# Altium PCB CRD25DA12N-FMC V1.2 (01-2024).PcbDoc (part 1 of 6) (continued)
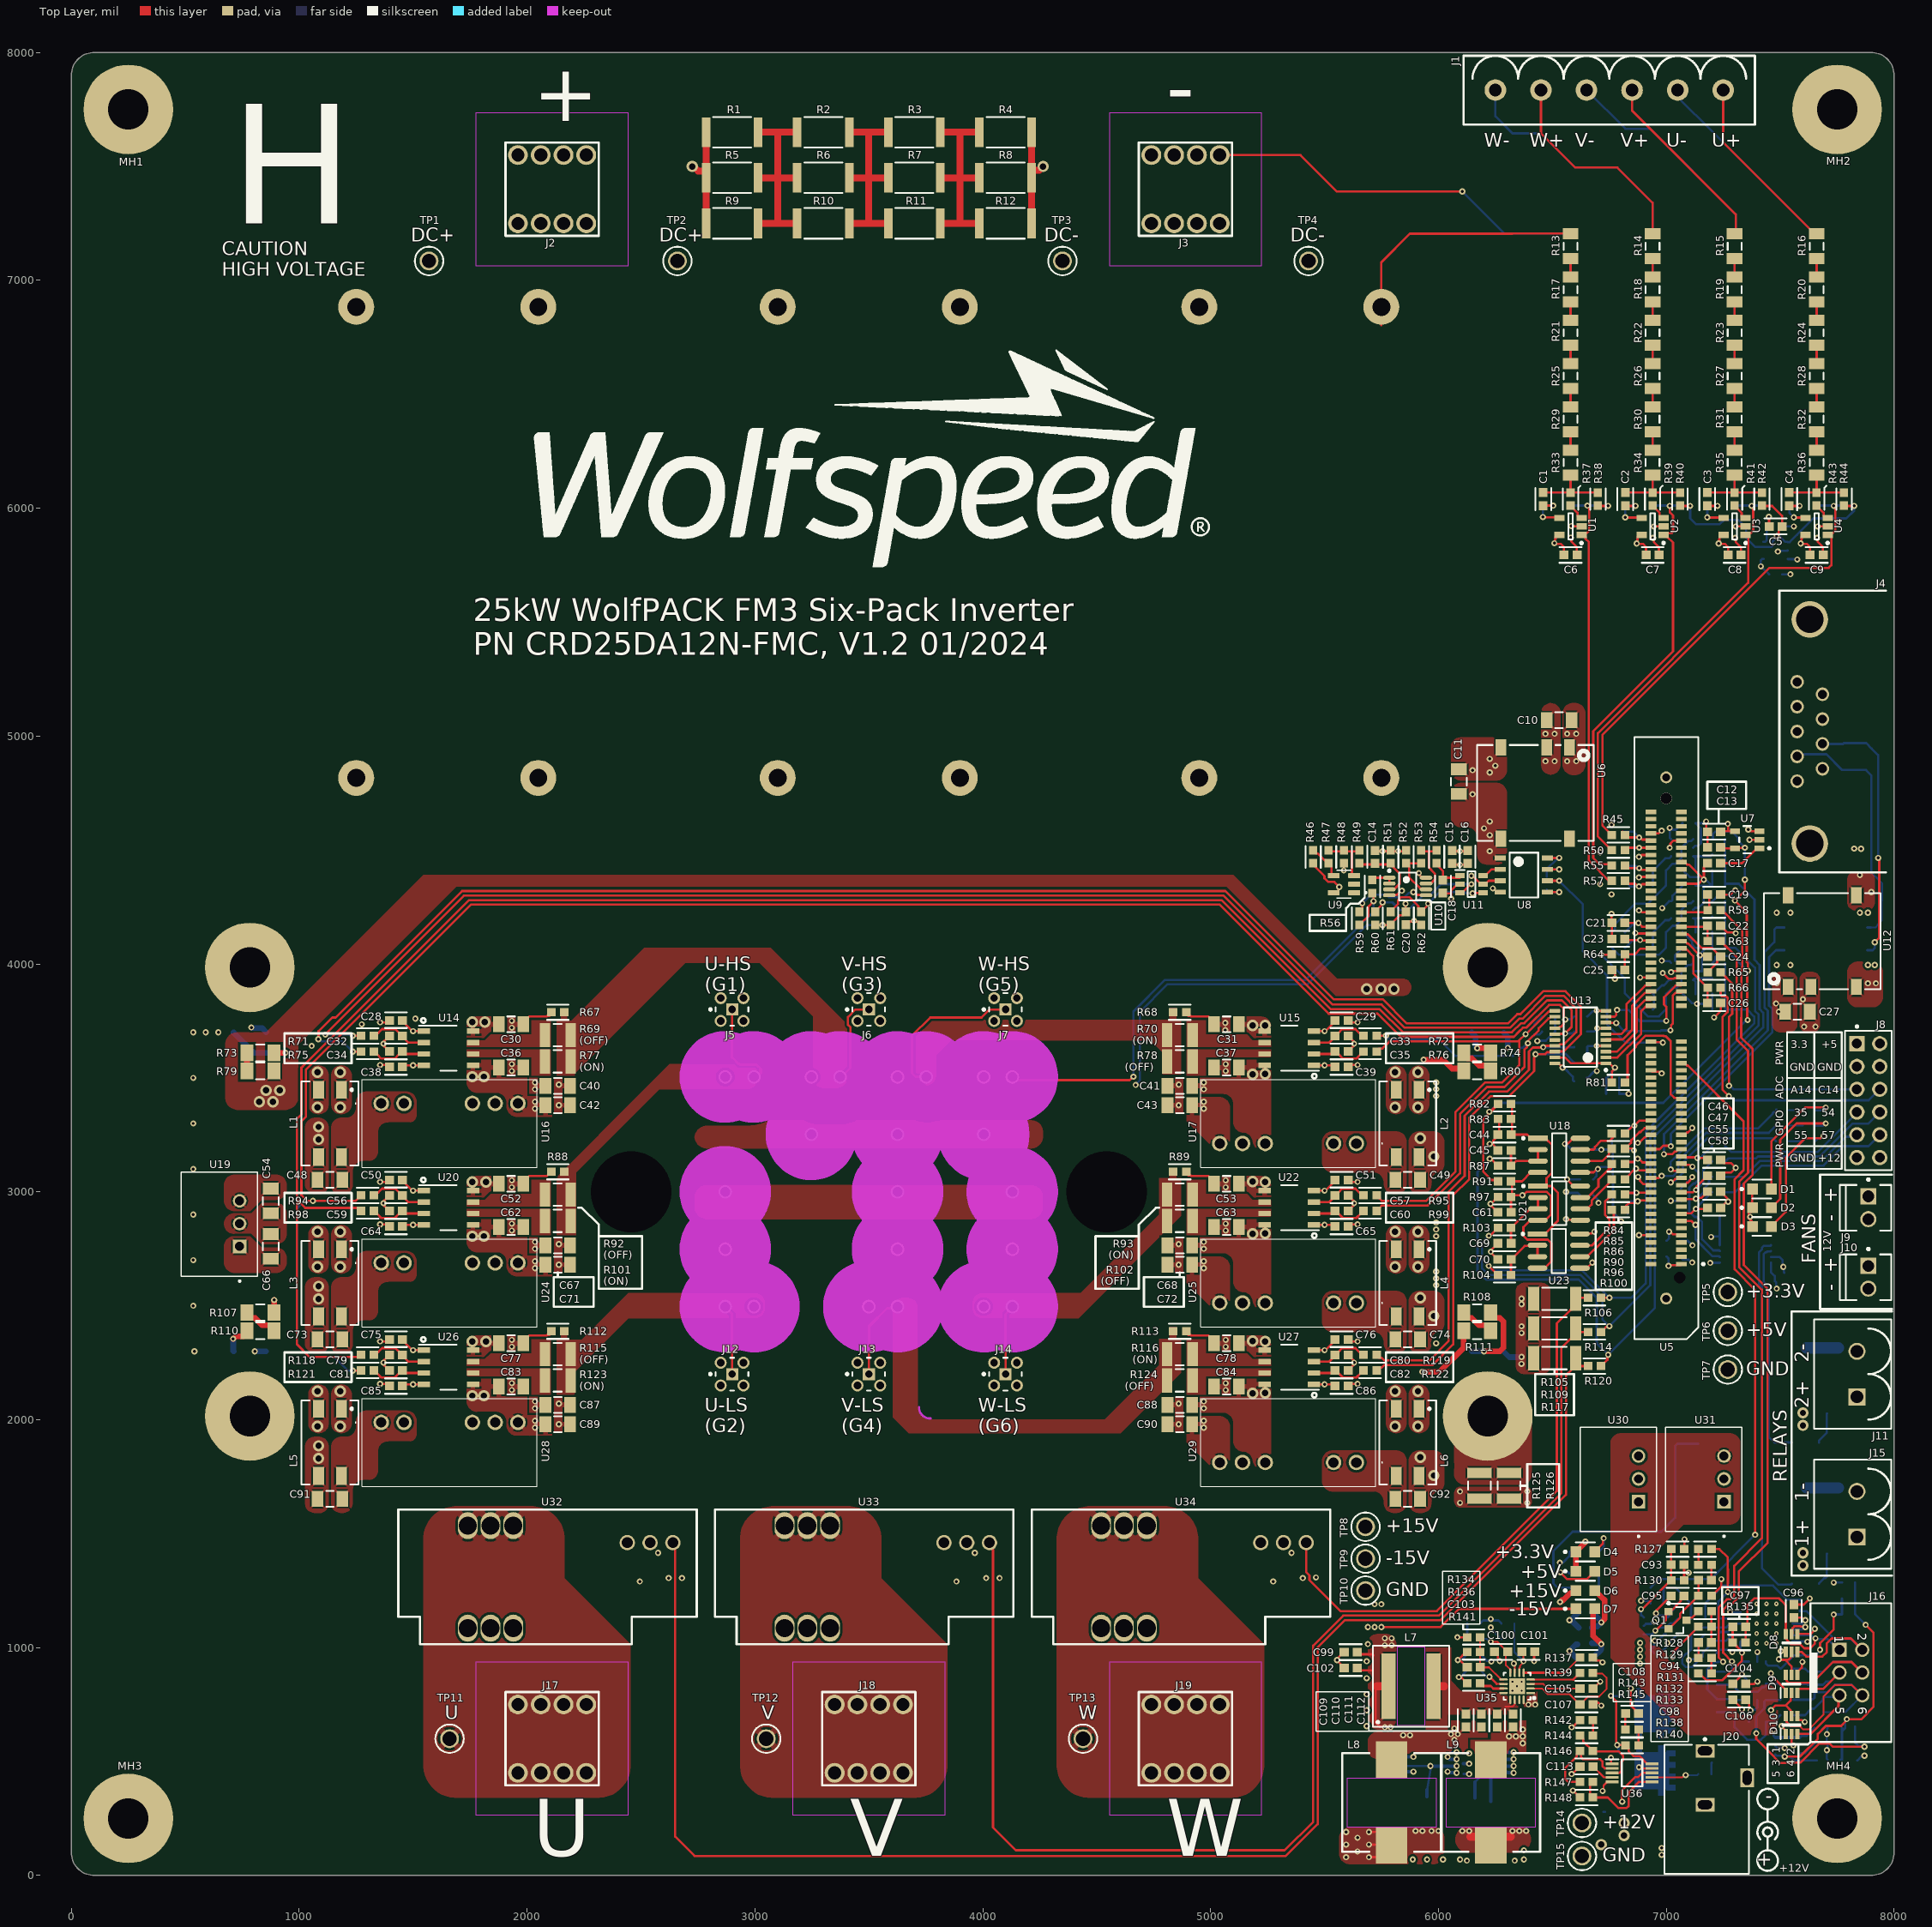
[diagram p0: Top Layer view]
## Components (designator, comment, footprint, x,y, rotation, side; value= is the part's Value field where it differs from the comment) (continued)
C57 "CL10C560JB8NNNC" FP-C0603C-CF-IPC_B 5575,2984 r0 top value=56pF
C58 "CL10C560JB8NNNC" FP-C0603C-CF-IPC_B 7210,2930 r0 top value=56pF
C59 "CL10C560JB8NNNC" FP-C0603C-CF-IPC_B 1425,2916 r180 top value=56pF
C60 "CL10C560JB8NNNC" FP-C0603C-CF-IPC_B 5575,2916 r0 top value=56pF
C61 "C0603C104K3RACTU" FP-C0603C-CF-IPC_B 6290,2909.96 r180 top value=0.10μF
C62 "CL31B106KAHSFNE" FP-CL31-IPC_B 1930,2845 r0 top value=10μF
C63 "CL31B106KAHSFNE" FP-CL31-IPC_B 5070,2845 r0 top value=10μF
C64 "GRT188R61H225ME13D" FP-C0603C-CF-IPC_B 1425,2848 r0 top value=2.2μF
C65 "GRT188R61H225ME13D" FP-C0603C-CF-IPC_B 5575,2848 r0 top value=2.2μF
C66 "CL31B106KAHSFNE" FP-CL31-IPC_B 875,2760 r90 top value=10μF
C67 "CL31B106KAHSFNE" FP-CL31-IPC_B 2135,2765 r180 top value=10μF
C68 "CL31B106KAHSFNE" FP-CL31-IPC_B 4865,2765 r0 top value=10μF
C69 "C0603C472K3RAC7867" FP-C0603C-CF-IPC_B 6290,2773.96 r180 top value=4.7nF
C70 "C0603C472K3RAC7867" FP-C0603C-CF-IPC_B 6290,2703.96 r180 top value=4.7nF
C71 "CL31B106KAHSFNE" FP-CL31-IPC_B 2135,2680 r0 top value=10μF
C72 "CL31B106KAHSFNE" FP-CL31-IPC_B 4865,2680 r180 top value=10μF
C73 "CL31B106KAHSFNE" FP-CL31-IPC_B 1135,2352 r180 top value=10μF
C74 "CL31B106KAHSFNE" FP-CL31-IPC_B 5865,2352 r180 top value=10μF
C75 "GRT188R61H225ME13D" FP-C0603C-CF-IPC_B 1425,2352 r180 top value=2.2μF
C76 "GRT188R61H225ME13D" FP-C0603C-CF-IPC_B 5575,2352 r180 top value=2.2μF
C77 "CL31B106KAHSFNE" FP-CL31-IPC_B 1930,2335 r180 top value=10μF
C78 "CL31B106KAHSFNE" FP-CL31-IPC_B 5070,2335 r180 top value=10μF
C79 "CL10C560JB8NNNC" FP-C0603C-CF-IPC_B 1425,2284 r180 top value=56pF
C80 "CL10C560JB8NNNC" FP-C0603C-CF-IPC_B 5575,2284 r0 top value=56pF
C81 "CL10C560JB8NNNC" FP-C0603C-CF-IPC_B 1425,2216 r180 top value=56pF
C82 "CL10C560JB8NNNC" FP-C0603C-CF-IPC_B 5575,2216 r0 top value=56pF
C83 "CL31B106KAHSFNE" FP-CL31-IPC_B 1930,2145 r0 top value=10μF
C84 "CL31B106KAHSFNE" FP-CL31-IPC_B 5070,2145 r0 top value=10μF
C85 "GRT188R61H225ME13D" FP-C0603C-CF-IPC_B 1425,2148 r0 top value=2.2μF
C86 "GRT188R61H225ME13D" FP-C0603C-CF-IPC_B 5575,2148 r0 top value=2.2μF
C87 "CL31B106KAHSFNE" FP-CL31-IPC_B 2135,2065 r180 top value=10μF
C88 "CL31B106KAHSFNE" FP-CL31-IPC_B 4865,2065 r0 top value=10μF
C89 "CL31B106KAHSFNE" FP-CL31-IPC_B 2135,1980 r0 top value=10μF
C90 "CL31B106KAHSFNE" FP-CL31-IPC_B 4865,1980 r180 top value=10μF
C91 "CL31B106KAHSFNE" FP-CL31-IPC_B 1135,1652 r180 top value=10μF
C92 "CL31B106KAHSFNE" FP-CL31-IPC_B 5865,1652 r180 top value=10μF
C93 "C0603C104K3RACTU" FP-C0603C-CF-IPC_B 7050,1363 r0 top value=0.10μF (schematic designator C94)
C94 "CL10B103KA8WPNC" FP-C0603C-CF-IPC_B 7170,1295 r180 top value=10nF (schematic designator C95)
C95 "C0603C102K5RACAUTO" FP-C0603C-CF-IPC_B 7050,1227 r180 top value=1nF (schematic designator C97)
C96 "C0603C104K3RACTU" FP-C0603C-CF-IPC_B 7560,1160 r90 top value=0.10μF (schematic designator C98)
C97 "06035A180JAT2A" FP-C0603C-CF-IPC_B 7320,1091 r0 top value=18pF (schematic designator C99)
C98 "CL10B103KA8WPNC" FP-C0603C-CF-IPC_B 7170,1022 r0 top value=10nF (schematic designator C101)
C99 "GCM188R72A103KA37D" FP-C0603C-CF-IPC_B 5615,980 r180 top value=10nF (schematic designator C195)
C100 "GCM1885C2A221JA16D" FP-C0603C-CF-IPC_B 6275,981 r180 top value=220pF (schematic designator C218)
C101 "CL10C101JB8NNNC" FP-C0603C-CF-IPC_B 6395,981 r0 top value=100pF (schematic designator C216)
C102 "C0603C102K5RACAUTO" FP-C0603C-CF-IPC_B 5615,910 r180 top value=1nF (schematic designator C96)
C103 "CGA3E2X7R1H683K080AA" FP-C0603C-CF-IPC_B 6155,913 r0 top value=68nF (schematic designator C204)
C104 "C0603C104K3RACTU" FP-C0603C-CF-IPC_B 7320,840 r0 top value=0.10μF (schematic designator C102)
C105 "GCM188R72A103KA37D" FP-C0603C-CF-IPC_B 6650,819 r0 top value=10nF (schematic designator C203)
C106 "C0603C104K3RACTU" FP-C0603C-CF-IPC_B 7320,771 r0 top value=0.10μF (schematic designator C103)
C107 "CGA3E1X7R1V105K080AC" FP-C0603C-CF-IPC_B 6650,750 r0 top value=1μF (schematic designator C201)
C108 "C0603C472K3RAC7867" FP-C0603C-CF-IPC_B 6850,710 r0 top value=4.7nF (schematic designator C107)
C109 "GRM188R6YA106MA73D" FP-C0603C-CF-IPC_B 6120,680 r270 top value=10μF (schematic designator C202)
C110 "GRM188R6YA106MA73D" FP-C0603C-CF-IPC_B 6189,680 r270 top value=10μF (schematic designator C205)
C111 "GRM188R6YA106MA73D" FP-C0603C-CF-IPC_B 6258,680 r270 top value=10μF (schematic designator C186)
C112 "GRM188R6YA106MA73D" FP-C0603C-CF-IPC_B 6327,680 r270 top value=10μF (schematic designator C200)
C113 "CL10C560JB8NNNC" FP-C0603C-CF-IPC_B 6650,478 r180 top value=56pF (schematic designator C108)
C114 "C4AQQEW5650A3BJ" C4AQQEW5650A3BJ 5350,5850 r270 bottom value=65µF (schematic designator C111)
C115 "C4AQQEW5650A3BJ" C4AQQEW5650A3BJ 3500,5850 r90 bottom value=65µF (schematic designator C110)
C116 "C4AQQEW5650A3BJ" C4AQQEW5650A3BJ 1650,5850 r270 bottom value=65µF (schematic designator C112)
C117 "CL10B103KA8WPNC" FP-C0603C-CF-IPC_B 7660,6040 r270 bottom value=10nF (schematic designator C113)
C118 "CL10B103KA8WPNC" FP-C0603C-CF-IPC_B 7300,6040 r270 bottom value=10nF (schematic designator C114)
C119 "CL10B103KA8WPNC" FP-C0603C-CF-IPC_B 6940,6040 r270 bottom value=10nF (schematic designator C115)
C120 "C0603C472K3RAC7867" FP-C0603C-CF-IPC_B 6580,6040 r270 bottom value=4.7nF (schematic designator C116)
C121 "C0603C104K3RACTU" FP-C0603C-CF-IPC_B 7480,5920 r0 bottom value=0.10μF (schematic designator C117)
C122 "C0603C104K3RACTU" FP-C0603C-CF-IPC_B 7480,5710 r0 bottom value=0.10μF (schematic designator C118)
C123 "C0603C104K3RACTU" FP-C0603C-CF-IPC_B 7100,4617 r0 bottom value=0.10μF (schematic designator C119)
C124 "GCM188R71C274KA37D" FP-GCM188-0_1-IPC_A 6790,4564 r180 bottom value=0.27μF (schematic designator C120)
C125 "GCM188R71C274KA37D" FP-GCM188-0_1-IPC_A 6790,4492 r180 bottom value=0.27μF (schematic designator C121)
C126 "CL31B106KAHSFNE" FP-CL31-IPC_B 7850,4395 r90 bottom value=10μF (schematic designator C122)
C127 "GCM188R71C274KA37D" FP-GCM188-0_1-IPC_A 6790,4420 r180 bottom value=0.27μF (schematic designator C123)
C128 "C0603C472K3RAC7867" FP-C0603C-CF-IPC_B 7230,4411 r180 bottom value=4.7nF (schematic designator C124)
C129 "CL10C101JB8NNNC" FP-C0603C-CF-IPC_B 7100,4411 r180 bottom value=100pF (schematic designator C125)
C130 "CL10C101JB8NNNC" FP-C0603C-CF-IPC_B 6970,4411 r0 bottom value=100pF (schematic designator C126)
C131 "C0603C104K3RACTU" FP-C0603C-CF-IPC_B 6475,4355 r270 bottom value=0.10μF (schematic designator C127)
C132 "GCM188R71C274KA37D" FP-GCM188-0_1-IPC_A 6790,4350 r180 bottom value=0.27μF (schematic designator C128)
C133 "C0603C104K3RACTU" FP-C0603C-CF-IPC_B 7100,4343 r0 bottom value=0.10μF (schematic designator C129)
C134 "C0603C472K3RAC7867" FP-C0603C-CF-IPC_B 7230,4139 r180 bottom value=4.7nF (schematic designator C130)
C135 "CL10C101JB8NNNC" FP-C0603C-CF-IPC_B 7100,4139 r180 bottom value=100pF (schematic designator C131)
C136 "CL10C101JB8NNNC" FP-C0603C-CF-IPC_B 6970,4139 r0 bottom value=100pF (schematic designator C132)
C137 "C0603C104K3RACTU" FP-C0603C-CF-IPC_B 7100,4070 r0 bottom value=0.10μF (schematic designator C133)
C138 "C0603C104K3RACTU" FP-C0603C-CF-IPC_B 7885,3868 r0 bottom value=0.10μF (schematic designator C134)
C139 "C0603C104K3RACTU" FP-C0603C-CF-IPC_B 7535,3868 r180 bottom value=0.10μF (schematic designator C135)
C140 "C0603C472K3RAC7867" FP-C0603C-CF-IPC_B 7230,3868 r180 bottom value=4.7nF (schematic designator C136)
C141 "CL10C101JB8NNNC" FP-C0603C-CF-IPC_B 7100,3868 r180 bottom value=100pF (schematic designator C137)
C142 "CL10C101JB8NNNC" FP-C0603C-CF-IPC_B 6970,3868 r0 bottom value=100pF (schematic designator C138)
C143 "CL10C560JB8NNNC" FP-C0603C-CF-IPC_B 6765,3500 r0 bottom value=56pF (schematic designator C139)
C144 "GRT188R61H225ME13D" FP-C0603C-CF-IPC_B 6625,3500 r0 bottom value=2.2μF (schematic designator C140)
C145 "CL10C560JB8NNNC" FP-C0603C-CF-IPC_B 6790,3261 r180 bottom value=56pF (schematic designator C141)
C146 "CL10C560JB8NNNC" FP-C0603C-CF-IPC_B 6790,3192 r180 bottom value=56pF (schematic designator C142)
C147 "C0603C104K3RACTU" FP-C0603C-CF-IPC_B 6650,3192 r0 bottom value=0.10μF (schematic designator C143)
C148 "CL10C560JB8NNNC" FP-C0603C-CF-IPC_B 6790,3123 r180 bottom value=56pF (schematic designator C144)
C149 "CL10C560JB8NNNC" FP-C0603C-CF-IPC_B 6790,3054 r180 bottom value=56pF (schematic designator C145)
C150 "C0603C104K3RACTU" FP-C0603C-CF-IPC_B 6650,3054 r0 bottom value=0.10μF (schematic designator C146)
C151 "C0603C104K3RACTU" FP-C0603C-CF-IPC_B 7065,2986.42 r270 bottom value=0.10μF (schematic designator C147)
C152 "CL10C560JB8NNNC" FP-C0603C-CF-IPC_B 6790,2985 r180 bottom value=56pF (schematic designator C148)
C153 "C0603C104K3RACTU" FP-C0603C-CF-IPC_B 6650,2985 r180 bottom value=0.10μF (schematic designator C149)
C154 "CL10C560JB8NNNC" FP-C0603C-CF-IPC_B 6790,2915 r180 bottom value=56pF (schematic designator C150)
C155 "C0603C104K3RACTU" FP-C0603C-CF-IPC_B 7030,2785 r0 bottom value=0.10μF (schematic designator C151)
C156 "C0603C104K3RACTU" FP-C0603C-CF-IPC_B 7030,2716 r0 bottom value=0.10μF (schematic designator C152)
C157 "GRT188R61H225ME13D" FP-C0603C-CF-IPC_B 7490,2625 r0 bottom value=2.2μF (schematic designator C153)
C158 "CL31B106KAHSFNE" FP-CL31-IPC_B 7140,1840 r270 bottom value=10μF (schematic designator C154)
C159 "CL31B106KAHSFNE" FP-CL31-IPC_B 6765,1840 r270 bottom value=10μF (schematic designator C155)
C160 "CL31B106KAHSFNE" FP-CL31-IPC_B 7140,1640 r90 bottom value=10μF (schematic designator C156)
C161 "CL31B106KAHSFNE" FP-CL31-IPC_B 6765,1640 r90 bottom value=10μF (schematic designator C157)
C162 "CL31B475KBHNFNE" FP-CL31-IPC_C 5380,1360 r0 bottom value=4.7μF (schematic designator C161)
C163 "CL31B475KBHNFNE" FP-CL31-IPC_C 3990,1360 r0 bottom value=4.7μF (schematic designator C162)
C164 "CL31B475KBHNFNE" FP-CL31-IPC_C 2600,1360 r0 bottom value=4.7μF (schematic designator C163)
C165 "C0603C104K3RACTU" FP-C0603C-CF-IPC_B 7800,1285 r180 bottom value=0.10μF (schematic designator C164)
C166 "CL31B475KBHNFNE" FP-CL31-IPC_C 5380,1250 r180 bottom value=4.7μF (schematic designator C165)
C167 "CL31B475KBHNFNE" FP-CL31-IPC_C 3990,1250 r180 bottom value=4.7μF (schematic designator C166)
C168 "CL31B475KBHNFNE" FP-CL31-IPC_C 2600,1250 r180 bottom value=4.7μF (schematic designator C167)
C169 "C0603C331JAGAC7867" FP-C0603C-CF-IPC_B 7800,1215 r180 bottom value=330pF (schematic designator C168)
C170 "C0603C472K3RAC7867" FP-C0603C-CF-IPC_B 6960,1194 r180 bottom value=4.7nF (schematic designator C169)
C171 "06035A180JAT2A" FP-C0603C-CF-IPC_B 7200,1126 r180 bottom value=18pF (schematic designator C170)
C172 "CGA3E2X7R1H473K080AA" FP-C0603C-CF-IPC_B 6155,1038 r180 bottom value=47nF (schematic designator C215)
C173 "C0603C104K3RACTU" FP-C0603C-CF-IPC_B 7200,990 r0 bottom value=0.10μF (schematic designator C171)
C174 "C0603C104K3RACTU" FP-C0603C-CF-IPC_B 6960,990 r0 bottom value=0.10μF (schematic designator C172)
C175 "GCM188R71E224KA55D" FP-C0603C-CF-IPC_B 6155,900 r180 bottom value=220nF (schematic designator C217)
C176 "CGA3E2X7R1H104K080AA" FP-C0603C-CF-IPC_B 5755,900 r180 bottom value=100nF (schematic designator C196)
C177 "C0603C470J1GACTU" FP-C0603C-CF-IPC_B 7620,865 r90 bottom value=47pF (schematic designator C173)
C178 "C0603C331JAGAC7867" FP-C0603C-CF-IPC_B 7290,865 r90 bottom value=330pF (schematic designator C174)
C179 "GRM188R6YA106MA73D" FP-C0603C-CF-IPC_B 5755,830 r180 bottom value=10μF (schematic designator C197)
C180 "C0603C470J1GACTU" FP-C0603C-CF-IPC_B 7620,745 r90 bottom value=47pF (schematic designator C175)
C181 "C0603C331JAGAC7867" FP-C0603C-CF-IPC_B 7290,745 r90 bottom value=330pF (schematic designator C176)
C182 "GRM188R6YA106MA73D" FP-C0603C-CF-IPC_B 5755,760 r180 bottom value=10μF (schematic designator C198)
C183 "GRM188R6YA106MA73D" FP-C0603C-CF-IPC_B 5755,690 r180 bottom value=10μF (schematic designator C199)
C184 "C0603C104K3RACTU" FP-C0603C-CF-IPC_B 7680,652 r0 bottom value=0.10μF (schematic designator C177)
C185 "C0603C331JAGAC7867" FP-C0603C-CF-IPC_B 7800,583 r0 bottom value=330pF (schematic designator C178)
C186 "C0603C104K3RACTU" FP-C0603C-CF-IPC_B 7680,583 r0 bottom value=0.10μF (schematic designator C179)
C187 "C0603C104K3RACTU" FP-C0603C-CF-IPC_B 7800,513 r0 bottom value=0.10μF (schematic designator C180)
C188 "C0603C104K3RACTU" FP-C0603C-CF-IPC_B 7680,513 r0 bottom value=0.10μF (schematic designator C181)
C189 "C0603C681J5GACTU" FP-C0603C-CF-IPC_B 6405,300 r90 bottom value=680pF (schematic designator C187)
C190 "GRM188R6YA106MA73D" FP-C0603C-CF-IPC_B 6335,300 r270 bottom value=10μF (schematic designator C193)
C191 "GRM188R6YA106MA73D" FP-C0603C-CF-IPC_B 6265,300 r270 bottom value=10μF (schematic designator C194)
C192 "CGA3E1X7R1V105K080AC" FP-C0603C-CF-IPC_B 6195,300 r270 bottom value=1μF (schematic designator C93)
C193 "CGA3E2X7R1H104K080AA" FP-C0603C-CF-IPC_B 6125,300 r270 bottom value=100nF (schematic designator C188)
C194 "CGA3E2X7R1H104K080AA" FP-C0603C-CF-IPC_B 6055,300 r90 bottom value=100nF (schematic designator C206)
C195 "CGA3E1X7R1V105K080AC" FP-C0603C-CF-IPC_B 5985,300 r90 bottom value=1μF (schematic designator C207)
C196 "GRM188R6YA106MA73D" FP-C0603C-CF-IPC_B 5915,300 r90 bottom value=10μF (schematic designator C208)
C197 "GRM188R6YA106MA73D" FP-C0603C-CF-IPC_B 5845,300 r90 bottom value=10μF (schematic designator C209)
C198 "C0603C681J5GACTU" FP-C0603C-CF-IPC_B 5775,300 r90 bottom value=680pF (schematic designator C214)
C199 "GRM188R6YA106MA73D" FP-C0603C-CF-IPC_B 6335,130 r90 bottom value=10μF (schematic designator C192)
C200 "GRM188R6YA106MA73D" FP-C0603C-CF-IPC_B 6265,130 r90 bottom value=10μF (schematic designator C191)
C201 "GRM188R6YA106MA73D" FP-C0603C-CF-IPC_B 6195,130 r90 bottom value=10μF (schematic designator C190)
C202 "GRM188R6YA106MA73D" FP-C0603C-CF-IPC_B 6125,130 r90 bottom value=10μF (schematic designator C189)
C203 "GRM188R6YA106MA73D" FP-C0603C-CF-IPC_B 6055,130 r270 bottom value=10μF (schematic designator C212)
C204 "GRM188R6YA106MA73D" FP-C0603C-CF-IPC_B 5985,130 r270 bottom value=10μF (schematic designator C213)
C205 "GRM188R6YA106MA73D" FP-C0603C-CF-IPC_B 5915,130 r270 bottom value=10μF (schematic designator C211)
C206 "GRM188R6YA106MA73D" FP-C0603C-CF-IPC_B 5845,130 r270 bottom value=10μF (schematic designator C210)
C207 "CL31B106KAHSFNE" FP-CL31-IPC_B 6850,105 r0 bottom value=10μF (schematic designator C185)
D1 "CMD17-21VRD/TR8" FP-LTST-C171GKT-MFG-RED 7420,3012 r0 top value=RED
D2 "LTST-C171KSKT" FP-LTST-C171GKT-MFG-YELLOW 7420,2930 r0 top value=YELLOW
D3 "LTST-C171GKT" FP-LTST-C171GKT-MFG 7420,2848 r0 top value=GREEN
D4 "LTST-C171GKT" FP-LTST-C171GKT-MFG 6645,1420 r0 top value=GREEN (schematic designator D6)
D5 "LTST-C171GKT" FP-LTST-C171GKT-MFG 6645,1335 r0 top value=GREEN (schematic designator D7)
D6 "LTST-C171GKT" FP-LTST-C171GKT-MFG 6645,1250 r0 top value=GREEN (schematic designator D8)
D7 "LTST-C171GKT" FP-LTST-C171GKT-MFG 6645,1170 r0 top value=GREEN (schematic designator D9)
D8 "BAS40DW-04-TP" SOT65P222X120-6N 7550,1020 r90 top value=N/A (schematic designator D10)
D9 "BAS40DW-04-TP" SOT65P222X120-6N 7550,840 r90 top value=N/A (schematic designator D11)
D10 "BAS40DW-04-TP" SOT65P222X120-6N 7550,660 r90 top value=N/A (schematic designator D12)
D11 "APTR3216-VFX" FP-APTR3216SECK-MFG 6216.53,3700 r180 bottom value=PURPLE (schematic designator D13)
D12 "APTR3216-VFX" FP-APTR3216SECK-MFG 783.47,3700 r180 bottom value=PURPLE (schematic designator D14)
D13 "APTR3216-VFX" FP-APTR3216SECK-MFG 6216.53,2300 r180 bottom value=PURPLE (schematic designator D15)
D14 "APTR3216-VFX" FP-APTR3216SECK-MFG 783.47,2300 r180 bottom value=PURPLE (schematic designator D16)
D15 "SMD26PL-TP" ONSC-SOD-123FL-2-498-01_V 7865,2000 r0 bottom value=N/A (schematic designator D17)
D16 "SMD26PL-TP" ONSC-SOD-123FL-2-498-01_V 7865,1385 r0 bottom value=N/A (schematic designator D18)
D17 "PMEG060V100EPE-QZ" FP-PSMC_TO-277A-MFG 6215,505 r0 bottom value=N/A (schematic designator D20)
D18 "PMEG060V100EPE-QZ" FP-PSMC_TO-277A-MFG 5965,505 r0 bottom value=N/A (schematic designator D21)
HS1 "LA6/150 12V" "LA 6 150 12" 3500,3000 r180 bottom locked value=N/A
J1 "1755778" 1755778 6750,7835 r180 top value=N/A
J2 "7460307" 7460307 2110,7400 r0 top value=N/A
J3 "7460307" 7460307 4890,7400 r0 top value=N/A
J4 "L717SDE09PA4CH4RC309" L717SDE09PA4CH4RC309 7630,5020 r90 top value=N/A
J5 "0734151471" FP-73415-1471-MFG 2900,3800 r0 top value=N/A
J6 "0734151471" FP-73415-1471-MFG 3500,3800 r0 top value=N/A
J7 "0734151471" FP-73415-1471-MFG 4100,3800 r0 top value=N/A
J8 "61301221121" FP-61301221121-MFG 7887,3400 r270 top value=N/A
J9 "640456-2" TECO-640456-2_V 7887,2930 r90 top value=N/A
J10 "640456-2" TECO-640456-2_V 7887,2625 r90 top value=N/A
J11 "1755736" 1755736 7837,2200 r90 top value=N/A
J12 "0734151471" FP-73415-1471-MFG 2900,2200 r0 top value=N/A
J13 "0734151471" FP-73415-1471-MFG 3500,2200 r0 top value=N/A
J14 "0734151471" FP-73415-1471-MFG 4100,2200 r0 top value=N/A
J15 "1755736" 1755736 7837,1585 r90 top value=N/A
J16 "61200621621" 61200621621 7810,890 r270 top value=N/A
J17 "7460307" 7460307 2110,600 r0 top value=N/A
J18 "7460307" 7460307 3500,600 r0 top value=N/A
J19 "7460307" 7460307 4890,600 r0 top value=N/A
J20 "PJ-102AH" CUI-PJ-102B_V 7170,428.11 r270 top value=N/A
L1 "744226S" WE-SL2 1135,3300 r270 top value=10μH
L2 "744226S" WE-SL2 5865,3300 r270 top value=10μH
L3 "744226S" WE-SL2 1135,2600 r270 top value=10μH
L4 "744226S" WE-SL2 5865,2600 r270 top value=10μH
L5 "744226S" WE-SL2 1135,1900 r270 top value=10μH
L6 "744226S" WE-SL2 5865,1900 r270 top value=10μH
L7 "74439358100" WE-XHMI_8080_L8.8W8.3H7.8 5880,830 r90 top value=10μH (schematic designator L9)
L8 "74437368220" 74437368220 5795,320 r270 top value=22µH (schematic designator L7)
L9 "74437368220" 74437368220 6230,320 r90 top value=22µH (schematic designator L10)
MH1 "MH_M4_P" MH_M4_P 250,7750 r0 top locked value=N/A
MH2 "MH_M4_P" MH_M4_P 7750,7750 r0 top locked value=N/A
MH3 "MH_M4_P" MH_M4_P 250,250 r0 top locked value=N/A
MH4 "MH_M4_P" MH_M4_P 7750,250 r0 top locked value=N/A
Q1 "BC817-16LT3G" ONSC-SOT-23-3-318-08_V 7050,1120 r0 top value=N/A (schematic designator Q2)
Q2 "CCB021M12FM3T" FM3_SIX-PACK_3PHASE_CRW 3500,3000 r0 bottom locked value=N/A (schematic designator Q3)
Q3 "MJD44H11T4G" ONSC-DPAK-3-369C-01_V 7615,2205 r90 bottom value=N/A (schematic designator Q4)
Q4 "MJD44H11T4G" ONSC-DPAK-3-369C-01_V 7615,1590 r90 bottom value=N/A (schematic designator Q5)
Q5 "DMT12H007LPS-13" FP-PowerDI5060-8-MFG 6910,710 r90 bottom value=N/A (schematic designator Q6)
Q6 "DMT12H007LPS-13" FP-PowerDI5060-8-MFG 6910,460 r90 bottom value=N/A (schematic designator Q7)
R1 "CRGP2512F220K" FP-CRGP2512-IPC_C 2900,7650 r180 top value=220kΩ
R2 "CRGP2512F220K" FP-CRGP2512-IPC_C 3300,7650 r180 top value=220kΩ
R3 "CRGP2512F220K" FP-CRGP2512-IPC_C 3700,7650 r180 top value=220kΩ
R4 "CRGP2512F220K" FP-CRGP2512-IPC_C 4100,7650 r180 top value=220kΩ
R5 "CRGP2512F220K" FP-CRGP2512-IPC_C 2900,7450 r180 top value=220kΩ
R6 "CRGP2512F220K" FP-CRGP2512-IPC_C 3300,7450 r180 top value=220kΩ
R7 "CRGP2512F220K" FP-CRGP2512-IPC_C 3700,7450 r180 top value=220kΩ
R8 "CRGP2512F220K" FP-CRGP2512-IPC_C 4100,7450 r180 top value=220kΩ
R9 "CRGP2512F220K" FP-CRGP2512-IPC_C 2900,7250 r180 top value=220kΩ
R10 "CRGP2512F220K" FP-CRGP2512-IPC_C 3300,7250 r180 top value=220kΩ
R11 "CRGP2512F220K" FP-CRGP2512-IPC_C 3700,7250 r180 top value=220kΩ
R12 "CRGP2512F220K" FP-CRGP2512-IPC_C 4100,7250 r180 top value=220kΩ
R13 "TNPW1206249KBEEA" RESC3216X65X50NL15T25 6580,7150 r270 top value=249kΩ
R14 "TNPW1206249KBEEA" RESC3216X65X50NL15T25 6940,7150 r270 top value=249kΩ
R15 "TNPW1206249KBEEA" RESC3216X65X50NL15T25 7300,7150 r270 top value=249kΩ
R16 "TNPW1206249KBEEA" RESC3216X65X50NL15T25 7660,7150 r270 top value=249kΩ
R17 "TNPW1206249KBEEA" RESC3216X65X50NL15T25 6580,6960 r270 top value=249kΩ
R18 "TNPW1206249KBEEA" RESC3216X65X50NL15T25 6940,6960 r270 top value=249kΩ
R19 "TNPW1206249KBEEA" RESC3216X65X50NL15T25 7300,6960 r270 top value=249kΩ
R20 "TNPW1206249KBEEA" RESC3216X65X50NL15T25 7660,6960 r270 top value=249kΩ
R21 "TNPW1206249KBEEA" RESC3216X65X50NL15T25 6580,6770 r270 top value=249kΩ
R22 "TNPW1206249KBEEA" RESC3216X65X50NL15T25 6940,6770 r270 top value=249kΩ
R23 "TNPW1206249KBEEA" RESC3216X65X50NL15T25 7300,6770 r270 top value=249kΩ
R24 "TNPW1206249KBEEA" RESC3216X65X50NL15T25 7660,6770 r270 top value=249kΩ
R25 "TNPW1206249KBEEA" RESC3216X65X50NL15T25 6580,6580 r270 top value=249kΩ
R26 "TNPW1206249KBEEA" RESC3216X65X50NL15T25 6940,6580 r270 top value=249kΩ
R27 "TNPW1206249KBEEA" RESC3216X65X50NL15T25 7300,6580 r270 top value=249kΩ
R28 "TNPW1206249KBEEA" RESC3216X65X50NL15T25 7660,6580 r270 top value=249kΩ
R29 "TNPW1206249KBEEA" RESC3216X65X50NL15T25 6580,6390 r270 top value=249kΩ
R30 "TNPW1206249KBEEA" RESC3216X65X50NL15T25 6940,6390 r270 top value=249kΩ
R31 "TNPW1206249KBEEA" RESC3216X65X50NL15T25 7300,6390 r270 top value=249kΩ
R32 "TNPW1206249KBEEA" RESC3216X65X50NL15T25 7660,6390 r270 top value=249kΩ
R33 "TNPW1206249KBEEA" RESC3216X65X50NL15T25 6580,6200 r270 top value=249kΩ
R34 "TNPW1206249KBEEA" RESC3216X65X50NL15T25 6940,6200 r270 top value=249kΩ
R35 "TNPW1206249KBEEA" RESC3216X65X50NL15T25 7300,6200 r270 top value=249kΩ
R36 "TNPW1206249KBEEA" RESC3216X65X50NL15T25 7660,6200 r270 top value=249kΩ
R37 "RC0603FR-074K99L" FP-MCR03-IPC_B 6580,6040 r270 top value=4.99kΩ
R38 "ERJ-PB3B3741V" FP-MCR03-IPC_B 6700,6040 r90 top value=3.74kΩ
R39 "RC0603FR-074K99L" FP-MCR03-IPC_B 6940,6040 r270 top value=4.99kΩ
R40 "ERJ-PB3B1801V" FP-MCR03-IPC_B 7060,6040 r270 top value=1.8kΩ
R41 "RC0603FR-074K99L" FP-MCR03-IPC_B 7300,6040 r270 top value=4.99kΩ
R42 "ERJ-PB3B1801V" FP-MCR03-IPC_B 7420,6040 r270 top value=1.8kΩ
R43 "RC0603FR-074K99L" FP-MCR03-IPC_B 7660,6040 r270 top value=4.99kΩ
R44 "ERJ-PB3B1801V" FP-MCR03-IPC_B 7780,6040 r270 top value=1.8kΩ
R45 "ERJ-3EKF49R9V" FP-MCR03-IPC_B 6790,4566 r0 top value=49.9Ω
R46 "ERJ3EKF1002V" FP-MCR03-IPC_B 5450,4470 r90 top value=10kΩ (schematic designator R47)
R47 "CRCW060320K0FKTA" FP-MCR03-IPC_B 5518,4470 r90 top value=20kΩ (schematic designator R48)
R48 "ERA3AEB132V" FP-MCR03-IPC_B 5586,4470 r270 top value=1.3kΩ (schematic designator R49)
R49 "RC1608F1542CS" FP-MCR03-IPC_B 5654,4470 r90 top value=15.4kΩ (schematic designator R50)
R50 "ERJ-3EKF49R9V" FP-MCR03-IPC_B 6790,4499 r0 top value=49.9Ω (schematic designator R46)
R51 "CRCW06034K70FKTA" FP-MCR03-IPC_B 5790,4470 r270 top value=4.7kΩ
R52 "ERJ3EKF1002V" FP-MCR03-IPC_B 5858,4470 r270 top value=10kΩ
R53 "CRCW06030000Z0EB" FP-MCR03-IPC_B 5925,4470 r90 top value=0Ω
R54 "ERJ3EKF1002V" FP-MCR03-IPC_B 5992,4470 r90 top value=10kΩ
R55 "ERJ-3EKF49R9V" FP-MCR03-IPC_B 6790,4432 r0 top value=49.9Ω
R56 "RC0603FR-13330RL" FP-MCR03-IPC_B 5710,4340 r90 top value=330Ω (schematic designator R57)
R57 "ERJ-3EKF49R9V" FP-MCR03-IPC_B 6790,4365 r0 top value=49.9Ω (schematic designator R56)
R58 "RT0603DRE072KL" FP-MCR03-IPC_B 7210,4236 r180 top value=2kΩ
R59 "ERJ3EKF1002V" FP-MCR03-IPC_B 5654,4200 r270 top value=10kΩ
R60 "RMCF0603FT249K" FP-MCR03-IPC_B 5722,4200 r90 top value=249kΩ
R61 "ERJ3EKF1002V" FP-MCR03-IPC_B 5790,4200 r90 top value=10kΩ
R62 "ERJ-3EKF9762V" FP-MCR03-IPC_B 5925,4200 r270 top value=97.6kΩ
R63 "RT0603DRE072KL" FP-MCR03-IPC_B 7210,4100 r180 top value=2kΩ
R64 "ERJ-3EKF49R9V" FP-MCR03-IPC_B 6790,4042 r0 top value=49.9Ω
R65 "CRCW06030000Z0EB" FP-MCR03-IPC_B 7210,3964 r180 top value=0Ω
R66 "CRCW06030000Z0EB" FP-MCR03-IPC_B 7210,3896 r180 top value=0Ω
R67 "ERJ3EKF1002V" FP-MCR03-IPC_B 2135,3788 r0 top value=10kΩ
R68 "ERJ3EKF1002V" FP-MCR03-IPC_B 4865,3788 r180 top value=10kΩ
R69 "CRCW12100000Z0EAHP" RESC3125X70X40NL20T20 2135,3688 r0 top value=0Ω
R70 "RCWE1210R910FKEA" RESC3125X70X40NL20T20 4865,3688 r180 top value=0.91Ω
R71 "ERJ-3EKF49R9V" FP-MCR03-IPC_B 1300,3684 r0 top value=49.9Ω
R72 "ERJ-3EKF49R9V" FP-MCR03-IPC_B 5700,3684 r180 top value=49.9Ω
R73 "RC1206FR-07249RL" FP-MCR18-IPC_A 830,3610 r0 top value=249Ω
R74 "RC1206FR-07249RL" FP-MCR18-IPC_A 6170,3610 r0 top value=249Ω
R75 "ERJ-3EKF49R9V" FP-MCR03-IPC_B 1300,3616 r0 top value=49.9Ω
R76 "ERJ-3EKF49R9V" FP-MCR03-IPC_B 5700,3616 r180 top value=49.9Ω
R77 "RCWE1210R910FKEA" RESC3125X70X40NL20T20 2135,3572 r0 top value=0.91Ω
R78 "CRCW12100000Z0EAHP" RESC3125X70X40NL20T20 4865,3572 r180 top value=0Ω
R79 "RC1206FR-07249RL" FP-MCR18-IPC_A 830,3530 r180 top value=249Ω
R80 "RC1206FR-07249RL" FP-MCR18-IPC_A 6170,3530 r0 top value=249Ω
R81 "ERJ-3EKF49R9V" FP-MCR03-IPC_B 6790,3480 r180 top value=49.9Ω
R82 "ERA3AEB132V" FP-MCR03-IPC_B 6290,3386 r180 top value=1.3kΩ
R83 "ERJ3EKF1002V" FP-MCR03-IPC_B 6290,3319 r0 top value=10kΩ
R84 "ERJ-3EKF49R9V" FP-MCR03-IPC_B 6790,3256 r0 top value=49.9Ω
R85 "ERJ-3EKF49R9V" FP-MCR03-IPC_B 6790,3189 r0 top value=49.9Ω
R86 "ERJ-3EKF49R9V" FP-MCR03-IPC_B 6790,3122 r0 top value=49.9Ω
R87 "ERJ-3EKF49R9V" FP-MCR03-IPC_B 6290,3114 r0 top value=49.9Ω
R88 "ERJ3EKF1002V" FP-MCR03-IPC_B 2135,3088 r0 top value=10kΩ
R89 "ERJ3EKF1002V" FP-MCR03-IPC_B 4865,3088 r180 top value=10kΩ
R90 "ERJ-3EKF49R9V" FP-MCR03-IPC_B 6790,3055 r0 top value=49.9Ω
R91 "ERJ3EKF1002V" FP-MCR03-IPC_B 6290,3045.96 r180 top value=10kΩ
R92 "CRCW12100000Z0EAHP" RESC3125X70X40NL20T20 2135,2988 r0 top value=0Ω
R93 "RCWE1210R910FKEA" RESC3125X70X40NL20T20 4865,2988 r180 top value=0.91Ω
R94 "ERJ-3EKF49R9V" FP-MCR03-IPC_B 1300,2984 r0 top value=49.9Ω (schematic designator R95)
R95 "ERJ-3EKF49R9V" FP-MCR03-IPC_B 5700,2984 r180 top value=49.9Ω (schematic designator R96)
R96 "ERJ-3EKF49R9V" FP-MCR03-IPC_B 6790,2988 r0 top value=49.9Ω (schematic designator R94)
R97 "ERA3AEB132V" FP-MCR03-IPC_B 6290,2977.96 r0 top value=1.3kΩ
R98 "ERJ-3EKF49R9V" FP-MCR03-IPC_B 1300,2916 r0 top value=49.9Ω (schematic designator R99)
R99 "ERJ-3EKF49R9V" FP-MCR03-IPC_B 5700,2916 r180 top value=49.9Ω (schematic designator R100)
R100 "ERJ-3EKF49R9V" FP-MCR03-IPC_B 6790,2921 r0 top value=49.9Ω (schematic designator R98)
R101 "RCWE1210R910FKEA" RESC3125X70X40NL20T20 2135,2872 r0 top value=0.91Ω
R102 "CRCW12100000Z0EAHP" RESC3125X70X40NL20T20 4865,2872 r180 top value=0Ω
R103 "ERJ-3EKF49R9V" FP-MCR03-IPC_B 6290,2841.96 r0 top value=49.9Ω
R104 "ERJ-3EKF49R9V" FP-MCR03-IPC_B 6290,2634.96 r0 top value=49.9Ω
R105 "RC2010FK-07100RL" RESC2010(5025)_N 6510,2530 r0 top value=100Ω
R106 "RT0603DRE072KL" FP-MCR03-IPC_B 6685,2535 r0 top value=2kΩ
R107 "RC1206FR-07249RL" FP-MCR18-IPC_A 830,2470 r180 top value=249Ω
R108 "RC1206FR-07249RL" FP-MCR18-IPC_A 6170,2470 r0 top value=249Ω
R109 "RC2010FK-07100RL" RESC2010(5025)_N 6510,2400 r0 top value=100Ω
R110 "RC1206FR-07249RL" FP-MCR18-IPC_A 830,2390 r180 top value=249Ω
R111 "RC1206FR-07249RL" FP-MCR18-IPC_A 6170,2390 r0 top value=249Ω
R112 "ERJ3EKF1002V" FP-MCR03-IPC_B 2135,2388 r0 top value=10kΩ
R113 "ERJ3EKF1002V" FP-MCR03-IPC_B 4865,2388 r180 top value=10kΩ
R114 "RT0603DRE072KL" FP-MCR03-IPC_B 6685,2385 r0 top value=2kΩ
R115 "CRCW12100000Z0EAHP" RESC3125X70X40NL20T20 2135,2288 r0 top value=0Ω
R116 "RCWE1210R910FKEA" RESC3125X70X40NL20T20 4865,2288 r180 top value=0.91Ω
R117 "RC2010FK-07100RL" RESC2010(5025)_N 6510,2270 r0 top value=100Ω
R118 "ERJ-3EKF49R9V" FP-MCR03-IPC_B 1300,2284 r0 top value=49.9Ω
R119 "ERJ-3EKF49R9V" FP-MCR03-IPC_B 5700,2284 r180 top value=49.9Ω
R120 "RT0603DRE072KL" FP-MCR03-IPC_B 6685,2235 r0 top value=2kΩ
R121 "ERJ-3EKF49R9V" FP-MCR03-IPC_B 1300,2216 r0 top value=49.9Ω
R122 "ERJ-3EKF49R9V" FP-MCR03-IPC_B 5700,2216 r180 top value=49.9Ω
R123 "RCWE1210R910FKEA" RESC3125X70X40NL20T20 2135,2172 r0 top value=0.91Ω
R124 "CRCW12100000Z0EAHP" RESC3125X70X40NL20T20 4865,2172 r180 top value=0Ω
R125 "CRCW12100000Z0EAHP" RESC3125X70X40NL20T20 6180,1710 r90 top value=0Ω
R126 "CRCW12100000Z0EAHP" RESC3125X70X40NL20T20 6310,1710 r90 top value=0Ω
R127 "ERJ3EKF1002V" FP-MCR03-IPC_B 7050,1432 r0 top value=10kΩ
R128 "CRCW060320K0FKTA" FP-MCR03-IPC_B 7170,1432 r180 top value=20kΩ
R129 "RC0603FR-07100KL" FP-MCR03-IPC_B 7170,1363 r0 top value=100kΩ (schematic designator R132)
R130 "ERJ3EKF1002V" FP-MCR03-IPC_B 7050,1295 r180 top value=10kΩ (schematic designator R133)
R131 "ERJ3EKF1002V" FP-MCR03-IPC_B 7170,1227 r180 top value=10kΩ (schematic designator R134)
R132 "RC0603JR-0720RL" FP-MCR03-IPC_B 7170,1159 r0 top value=20Ω (schematic designator R135)
R133 "ERJ3EKF1002V" FP-MCR03-IPC_B 7170,1091 r180 top value=10kΩ (schematic designator R136)
R134 "RC0603FR-075K49L" FP-MCR03-IPC_B 6155,1045 r0 top value=5.49kΩ (schematic designator R256)
R135 "RC0603FR-07470KL" FP-MCR03-IPC_B 7320,1022 r0 top value=470kΩ (schematic designator R138)
R136 "RT0603DRE0771K5L" FP-MCR03-IPC_B 6155,980 r180 top value=71.5kΩ (schematic designator R254)
R137 "RT0603FRE0749K9L" FP-MCR03-IPC_B 6650,956 r180 top value=49.9kΩ (schematic designator R259)
R138 "RC0603FR-07100KL" FP-MCR03-IPC_B 7170,954 r180 top value=100kΩ (schematic designator R141)
R139 "RC0603FR-0724K9L" FP-MCR03-IPC_B 6650,888 r0 top value=24.9kΩ (schematic designator R255)
R140 "CRCW060320K0FKTA" FP-MCR03-IPC_B 7170,886 r0 top value=20kΩ (schematic designator R142)
R141 "RC0603FR-0761K9L" FP-MCR03-IPC_B 6155,844 r0 top value=61.9kΩ (schematic designator R260)
R142 "RC0603FR-07100KL" FP-MCR03-IPC_B 6650,682 r0 top value=100kΩ (schematic designator R143)
R143 "RT0603DRE072KL" FP-MCR03-IPC_B 6850,640 r0 top value=2kΩ (schematic designator R150)
R144 "RC0603FR-07100KL" FP-MCR03-IPC_B 6650,614 r180 top value=100kΩ
R145 "CRCW060320K0FKTA" FP-MCR03-IPC_B 6850,570 r180 top value=20kΩ (schematic designator R148)
R146 "RC0603FR-07100KL" FP-MCR03-IPC_B 6650,546 r180 top value=100kΩ (schematic designator R147)
R147 "RC0603JR-072M7L" FP-MCR03-IPC_B 6650,410 r0 top value=2.7MΩ (schematic designator R149)
R148 "RC0603JR-072M7L" FP-MCR03-IPC_B 6650,342 r180 top value=2.7MΩ (schematic designator R151)
R149 "TNPW1206249KBEEA" RESC3216X65X50NL15T25 7660,7150 r270 bottom value=249kΩ (schematic designator R156)
R150 "TNPW1206249KBEEA" RESC3216X65X50NL15T25 7300,7150 r270 bottom value=249kΩ (schematic designator R157)
R151 "TNPW1206249KBEEA" RESC3216X65X50NL15T25 6940,7150 r270 bottom value=249kΩ (schematic designator R158)
R152 "TNPW1206249KBEEA" RESC3216X65X50NL15T25 6580,7150 r270 bottom value=249kΩ (schematic designator R159)
R153 "TNPW1206249KBEEA" RESC3216X65X50NL15T25 7660,6960 r270 bottom value=249kΩ (schematic designator R160)
R154 "TNPW1206249KBEEA" RESC3216X65X50NL15T25 7300,6960 r270 bottom value=249kΩ (schematic designator R161)
R155 "TNPW1206249KBEEA" RESC3216X65X50NL15T25 6940,6960 r270 bottom value=249kΩ (schematic designator R162)
R156 "TNPW1206249KBEEA" RESC3216X65X50NL15T25 6580,6960 r270 bottom value=249kΩ (schematic designator R163)
R157 "TNPW1206249KBEEA" RESC3216X65X50NL15T25 7660,6770 r270 bottom value=249kΩ (schematic designator R164)
R158 "TNPW1206249KBEEA" RESC3216X65X50NL15T25 7300,6770 r270 bottom value=249kΩ (schematic designator R165)
R159 "TNPW1206249KBEEA" RESC3216X65X50NL15T25 6940,6770 r270 bottom value=249kΩ (schematic designator R166)
R160 "TNPW1206249KBEEA" RESC3216X65X50NL15T25 6580,6770 r270 bottom value=249kΩ (schematic designator R167)
R161 "TNPW1206249KBEEA" RESC3216X65X50NL15T25 7660,6580 r270 bottom value=249kΩ (schematic designator R168)
R162 "TNPW1206249KBEEA" RESC3216X65X50NL15T25 7300,6580 r270 bottom value=249kΩ (schematic designator R169)
R163 "TNPW1206249KBEEA" RESC3216X65X50NL15T25 6940,6580 r270 bottom value=249kΩ (schematic designator R170)
R164 "TNPW1206249KBEEA" RESC3216X65X50NL15T25 6580,6580 r270 bottom value=249kΩ (schematic designator R171)
R165 "TNPW1206249KBEEA" RESC3216X65X50NL15T25 7660,6390 r270 bottom value=249kΩ (schematic designator R172)
R166 "TNPW1206249KBEEA" RESC3216X65X50NL15T25 7300,6390 r270 bottom value=249kΩ (schematic designator R173)
R167 "TNPW1206249KBEEA" RESC3216X65X50NL15T25 6940,6390 r270 bottom value=249kΩ (schematic designator R174)
R168 "TNPW1206249KBEEA" RESC3216X65X50NL15T25 6580,6390 r270 bottom value=249kΩ (schematic designator R175)
R169 "TNPW1206249KBEEA" RESC3216X65X50NL15T25 7660,6200 r270 bottom value=249kΩ (schematic designator R176)
R170 "TNPW1206249KBEEA" RESC3216X65X50NL15T25 7300,6200 r270 bottom value=249kΩ (schematic designator R177)